# Altium PCB RPlan_LB.PcbDoc (part 3 of 5)
Units mm, origin at the board's own origin, x right, y up, seen from the top; angles counter-clockwise.
Board outline 152.4 x 101.6 mm, 2 copper layers (Top Layer, Bottom Layer); 94 components, 100 nets, 537 pads, 95 vias.
Unrouted connection lines stored in the file: 138.
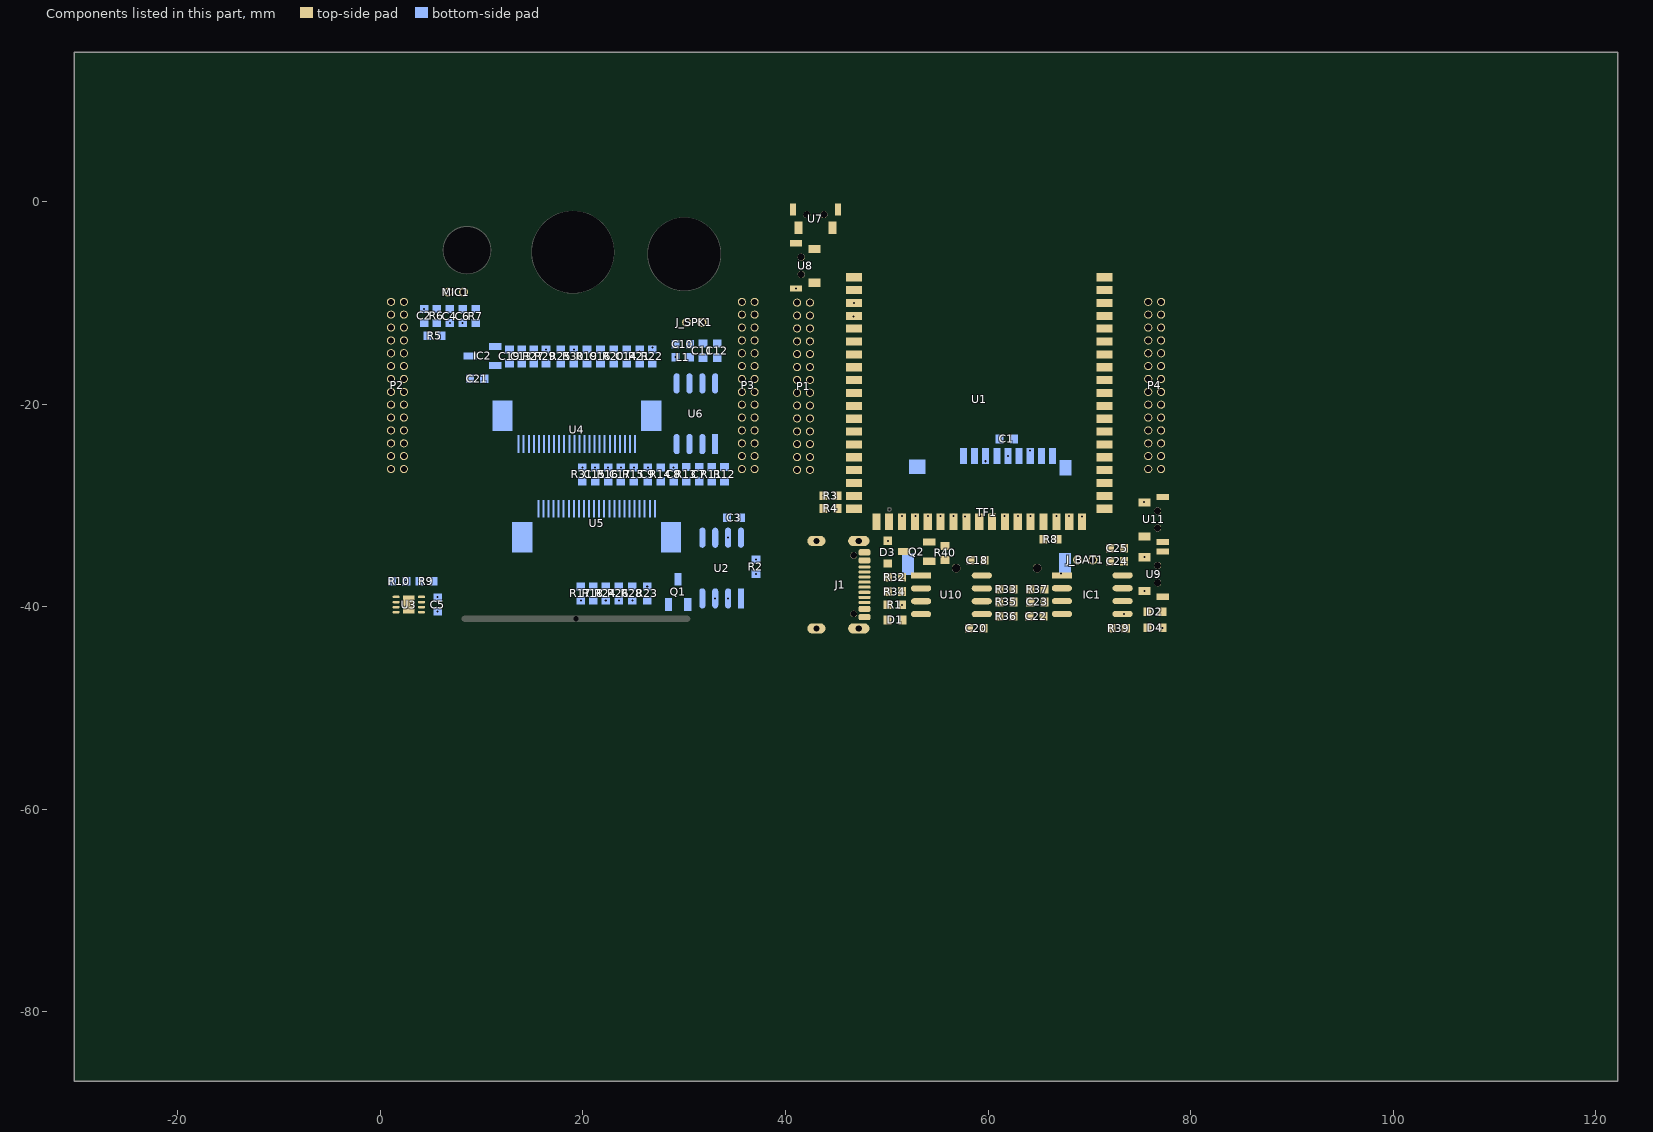
[diagram p3: the components of this part, seen from the top]

## Via types
v1: diameter 0.5, hole 0.3, Top Layer to Bottom Layer, 70 vias
v2: diameter 0.4, hole 0.2, Top Layer to Bottom Layer, 25 vias

## Nets (pads, with @x,y where several pads share a name; then routed paths per layer and width w, separated by ;. In a path a pad name is that pad's centre, name@x,y a point inside that pad or via, vN(x,y) a via of type N, cw(c..) or ccw(c..) an arc to the next point about the centre after c; other vN are vias at no path point) (continued)
copper on no net: (continued)
  Bottom Layer w0.025: 52.839,-22.09 53.525,-22.09 ; 52.839,-22.065 53.525,-22.065 ; 52.839,-22.04 53.525,-22.04 ; 52.839,-22.014 53.525,-22.014 ; 52.839,-21.989 53.525,-21.989 ; 52.839,-21.963 53.525,-21.963 ; 52.839,-21.938 53.525,-21.938 ; 52.839,-21.913 53.525,-21.913 ; 52.839,-21.887 53.525,-21.887 ; 52.839,-21.862 53.525,-21.862 ; 52.839,-21.836 53.525,-21.836 ; 52.839,-21.811 53.525,-21.811 ; 52.839,-21.786 53.525,-21.786 ; 52.839,-21.76 53.525,-21.76 ; 52.839,-21.43 53.525,-21.43 ; 52.839,-21.405 53.195,-21.405 ; 52.839,-21.379 53.195,-21.379 ; 52.839,-21.354 53.195,-21.354 ; 52.839,-21.328 53.195,-21.328 ; 52.839,-21.303 53.195,-21.303 ; 52.839,-21.278 53.195,-21.278 ; 52.839,-21.252 53.195,-21.252 ; 52.839,-21.227 53.195,-21.227 ; 52.839,-21.201 53.195,-21.201 ; 52.839,-21.176 53.195,-21.176 ; 52.839,-21.151 53.195,-21.151 ; 52.839,-21.125 53.195,-21.125 ; 52.839,-21.1 53.881,-21.1 ; 52.839,-21.074 53.881,-21.074 ; 52.839,-21.049 53.881,-21.049 ; 52.839,-21.024 53.881,-21.024 ; 52.839,-20.998 53.881,-20.998 ; 52.839,-20.973 53.881,-20.973 ; 52.839,-20.947 53.881,-20.947 ; 52.839,-20.922 53.881,-20.922 ; 52.839,-20.897 53.881,-20.897 ; 52.839,-20.871 53.881,-20.871 ; 52.839,-20.846 53.881,-20.846 ; 52.839,-20.82 53.881,-20.82 ; 52.839,-20.795 53.881,-20.795 ; 52.839,-20.77 53.881,-20.77 ; 52.839,-20.109 53.881,-20.109 ; 52.839,-20.084 53.881,-20.084 ; 52.839,-20.058 53.881,-20.058 ; 52.839,-20.033 53.881,-20.033 ; 52.839,-20.008 53.881,-20.008 ; 52.839,-19.982 53.881,-19.982 ; 52.839,-19.957 53.881,-19.957 ; 52.839,-19.931 53.881,-19.931 ; 52.839,-19.906 53.881,-19.906 ; 52.839,-19.881 53.881,-19.881 ; 52.839,-19.855 53.881,-19.855 ; 52.839,-19.83 53.881,-19.83 ; 52.839,-19.804 53.881,-19.804 ; 52.839,-19.779 53.881,-19.779 ; 52.839,-19.754 53.83,-19.754 ; 52.839,-19.728 53.195,-19.728 ; 52.839,-19.703 53.195,-19.703 ; 52.839,-19.677 53.195,-19.677 ; 52.839,-19.652 53.195,-19.652 ; 52.839,-19.627 53.195,-19.627 ; 52.839,-19.601 53.195,-19.601 ; 52.839,-19.576 53.195,-19.576 ; 52.839,-19.55 53.195,-19.55 ; 52.839,-19.525 53.195,-19.525 ; 52.839,-19.5 53.195,-19.5 ; 52.839,-19.474 53.195,-19.474 ; 52.839,-19.449 53.5,-19.449 ; 52.839,-19.119 53.525,-19.119 ; 52.839,-19.093 53.525,-19.093 ; 52.839,-19.068 53.195,-19.068 ; 52.839,-19.042 53.195,-19.042 ; 52.839,-19.017 53.195,-19.017 ; 52.839,-18.992 53.195,-18.992 ; 52.839,-18.966 53.195,-18.966 ; 52.839,-18.941 53.195,-18.941 ; 52.839,-18.915 53.195,-18.915 ; 52.839,-18.89 53.195,-18.89 ; 52.839,-18.865 53.195,-18.865 ; 52.839,-18.839 53.195,-18.839 ; 52.839,-18.814 53.195,-18.814 ; 52.839,-18.788 53.195,-18.788 ; 52.839,-18.763 53.525,-18.763 ; 52.839,-18.738 53.525,-18.738 ; 52.839,-18.712 53.525,-18.712 ; 52.839,-18.687 53.525,-18.687 ; 52.839,-18.661 53.525,-18.661 ; 52.839,-18.636 53.525,-18.636 ; 52.839,-18.611 53.525,-18.611 ; 52.839,-18.585 53.525,-18.585 ; 52.839,-18.56 53.525,-18.56 ; 52.839,-18.534 53.525,-18.534 ; 52.839,-18.509 53.525,-18.509 ; 52.839,-18.484 53.525,-18.484 ; 52.839,-18.458 53.525,-18.458 ; 52.839,-18.433 54.185,-18.433 ; 52.839,-18.407 54.185,-18.407 ; 52.839,-18.382 53.195,-18.382 ; 52.839,-18.357 53.195,-18.357 ; 52.839,-18.331 53.195,-18.331 ; 52.839,-18.306 53.195,-18.306 ; 52.839,-18.28 53.195,-18.28 ; 52.839,-18.255 53.195,-18.255 ; 52.839,-18.23 53.195,-18.23 ; 52.839,-18.204 53.195,-18.204 ; 52.839,-18.179 53.195,-18.179 ; 52.839,-18.153 53.195,-18.153 ; 52.839,-18.128 53.195,-18.128 ; 52.839,-18.103 53.195,-18.103 ; 52.839,-17.772 53.881,-17.772 ; 52.839,-17.747 53.525,-17.747 ; 52.839,-17.722 53.525,-17.722 ; 52.839,-17.696 53.525,-17.696 ; 52.839,-17.671 53.525,-17.671 ; 52.839,-17.645 53.525,-17.645 ; 52.839,-17.62 53.525,-17.62 ; 52.839,-17.595 53.525,-17.595 ; 52.839,-17.569 53.525,-17.569 ; 52.839,-17.544 53.525,-17.544 ; 52.839,-17.518 53.525,-17.518 ; 52.839,-17.493 53.525,-17.493 ; 52.839,-17.468 53.525,-17.468 ; 52.839,-17.442 53.525,-17.442 ; 52.839,-17.417 53.525,-17.417 ; 52.839,-17.391 53.195,-17.391 ; 52.839,-17.366 53.195,-17.366 ; 52.839,-17.341 53.195,-17.341 ; 52.839,-17.315 53.195,-17.315 ; 52.839,-17.29 53.195,-17.29 ; 52.839,-17.264 53.195,-17.264 ; 52.839,-17.239 53.195,-17.239 ; 52.839,-17.214 53.195,-17.214 ; 52.839,-17.188 53.195,-17.188 ; 52.839,-17.163 53.195,-17.163 ; 52.839,-17.137 53.195,-17.137 ; 52.839,-17.112 53.195,-17.112 ; 52.839,-17.087 53.195,-17.087 ; 52.839,-17.061 53.195,-17.061 ; 52.839,-17.036 53.195,-17.036 ; 52.839,-17.01 53.195,-17.01 ; 52.839,-16.985 53.195,-16.985 ; 52.839,-16.96 53.195,-16.96 ; 52.839,-16.934 53.195,-16.934 ; 52.839,-16.909 53.195,-16.909 ; 52.839,-16.883 53.195,-16.883 ; 52.839,-16.858 53.195,-16.858 ; 52.839,-16.833 53.195,-16.833 ; 52.839,-16.807 53.195,-16.807 ; 52.839,-16.782 53.195,-16.782 ; 52.839,-16.452 53.195,-16.452 ; 52.839,-16.426 53.195,-16.426 ; 52.839,-16.401 53.195,-16.401 ; 52.839,-16.375 53.195,-16.375 ; 52.839,-16.35 53.195,-16.35 ; 52.839,-16.325 53.195,-16.325 ; 52.839,-16.299 53.195,-16.299 ; 52.839,-16.274 53.195,-16.274 ; 52.839,-16.248 53.195,-16.248 ; 52.839,-16.223 53.195,-16.223 ; 52.839,-16.198 53.195,-16.198 ; 52.839,-16.172 53.195,-16.172 ; 52.839,-16.147 53.22,-16.147 ; 52.839,-16.121 53.22,-16.121 ; 52.839,-16.096 54.185,-16.096 ; 52.839,-16.071 54.185,-16.071 ; 52.839,-16.045 54.185,-16.045 ; 52.839,-16.02 54.185,-16.02 ; 52.839,-15.994 54.185,-15.994 ; 52.839,-15.969 54.185,-15.969 ; 52.839,-15.944 54.185,-15.944 ; 52.839,-15.918 54.185,-15.918 ; 52.839,-15.893 54.185,-15.893 ; 52.839,-15.867 54.185,-15.867 ; 52.839,-15.842 54.185,-15.842 ; 52.839,-15.817 54.185,-15.817 ; 52.839,-15.791 54.185,-15.791 ; 52.839,-15.766 54.185,-15.766 ; 52.839,-15.74 54.185,-15.74 ; 52.839,-15.715 54.185,-15.715 ; 52.839,-15.69 54.185,-15.69 ; 52.839,-15.664 54.185,-15.664 ; 52.839,-15.639 54.185,-15.639 ; 52.839,-15.613 54.185,-15.613 ; 52.839,-15.588 54.185,-15.588 ; 52.839,-15.563 54.185,-15.563 ; 52.839,-15.537 54.185,-15.537 ; 52.839,-15.512 54.185,-15.512 ; 52.839,-15.486 54.185,-15.486 ; 52.839,-15.461 54.185,-15.461 ; 52.839,-15.436 54.185,-15.436 ; 52.839,-14.775 53.881,-14.775 ; 52.839,-14.75 53.881,-14.75 ; 52.839,-14.724 53.881,-14.724 ; 52.839,-14.699 53.881,-14.699 ; 52.839,-14.674 53.881,-14.674 ; 52.839,-14.648 53.881,-14.648 ; 52.839,-14.623 53.881,-14.623 ; 52.839,-14.597 53.881,-14.597 ; 52.839,-14.572 53.881,-14.572 ; 52.839,-14.547 53.881,-14.547 ; 52.839,-14.521 53.881,-14.521 ; 52.839,-14.496 53.881,-14.496 ; 52.839,-14.47 54.185,-14.47 ; 52.839,-14.445 54.185,-14.445 ; 52.839,-14.42 54.185,-14.42 ; 52.839,-14.394 54.185,-14.394 ; 52.839,-14.369 54.185,-14.369 ; 52.839,-14.343 54.185,-14.343 ; 52.839,-14.318 54.185,-14.318 ; 52.839,-14.293 54.185,-14.293 ; 52.839,-14.267 54.185,-14.267 ; 52.839,-14.242 54.185,-14.242 ; 52.839,-14.216 54.185,-14.216 ; 52.839,-14.191 54.185,-14.191 ; 52.839,-14.166 54.185,-14.166 ; 52.839,-14.14 54.185,-14.14 ; 52.839,-14.115 54.185,-14.115 ; 52.839,-14.089 53.195,-14.089 ; 52.839,-14.064 53.195,-14.064 ; 52.839,-14.039 53.195,-14.039 ; 52.839,-14.013 53.195,-14.013 ; 52.839,-13.988 53.195,-13.988 ; 52.839,-13.962 53.195,-13.962 ; 52.839,-13.937 53.195,-13.937 ; 52.839,-13.912 53.195,-13.912 ; 52.839,-13.886 53.195,-13.886 ; 52.839,-13.861 53.195,-13.861 ; 52.839,-13.835 53.195,-13.835 ; 52.839,-13.81 53.195,-13.81 ; 52.839,-13.785 54.185,-13.785 ; 52.839,-13.759 54.185,-13.759 ; 52.839,-13.734 53.525,-13.734 ; 52.839,-13.708 53.525,-13.708 ; 52.839,-13.683 53.525,-13.683 ; 52.839,-13.658 53.525,-13.658 ; 52.839,-13.632 53.525,-13.632 ; 52.839,-13.607 53.525,-13.607 ; 52.839,-13.581 53.525,-13.581 ; 52.839,-13.556 53.525,-13.556 ; 52.839,-13.531 53.525,-13.531 ; 52.839,-13.505 53.525,-13.505 ; 52.839,-13.48 53.525,-13.48 ; 52.839,-13.454 53.525,-13.454 ; 52.839,-13.429 53.22,-13.429 ; 52.839,-13.404 53.195,-13.404 ; 52.839,-13.378 53.195,-13.378 ; 52.839,-13.353 53.195,-13.353 ; 52.839,-13.327 53.195,-13.327 ; 52.839,-13.302 53.195,-13.302 ; 52.839,-13.277 53.195,-13.277 ; 52.839,-13.251 53.195,-13.251 ; 52.839,-13.226 53.195,-13.226 ; 52.839,-13.2 53.195,-13.2 ; 52.839,-13.175 53.195,-13.175 ; 52.839,-13.15 53.195,-13.15 ; 52.839,-13.124 53.525,-13.124 ; 52.839,-13.099 53.525,-13.099 ; 52.839,-13.073 53.525,-13.073 ; 52.839,-13.048 53.525,-13.048 ; 52.839,-13.023 53.525,-13.023 ; 52.839,-12.997 53.525,-12.997 ; 52.839,-12.972 53.525,-12.972 ; 52.839,-12.946 53.525,-12.946 ; 52.839,-12.921 53.525,-12.921 ; 52.839,-12.896 53.525,-12.896 ; 52.839,-12.87 53.525,-12.87 ; 52.839,-12.845 53.525,-12.845 ; 52.839,-12.819 53.525,-12.819 ; 52.839,-12.794 53.525,-12.794 ; 52.839,-12.769 53.525,-12.769 ; 52.839,-12.743 53.195,-12.743 ; 52.839,-12.718 53.195,-12.718 ; 52.839,-12.692 53.195,-12.692 ; 52.839,-12.667 53.195,-12.667 ; 52.839,-12.642 53.195,-12.642 ; 52.839,-12.616 53.195,-12.616 ; 52.839,-12.591 53.195,-12.591 ; 52.839,-12.565 53.195,-12.565 ; 52.839,-12.54 53.195,-12.54 ; 52.839,-12.515 53.195,-12.515 ; 52.839,-12.489 53.195,-12.489 ; 52.839,-12.464 53.195,-12.464 ; 52.839,-12.438 53.195,-12.438 ; 52.839,-12.134 55.176,-12.134 ; 52.839,-12.108 55.201,-12.108 ; 52.839,-12.083 55.201,-12.083 ; 52.839,-12.057 55.201,-12.057 ; 52.839,-12.032 55.201,-12.032 ; 52.839,-12.007 55.201,-12.007 ; 52.839,-11.981 55.201,-11.981 ; 52.839,-11.956 55.201,-11.956 ; 52.839,-11.93 55.201,-11.93 ; 52.839,-11.905 55.201,-11.905 ; 52.839,-11.88 55.201,-11.88 ; 52.839,-11.854 55.201,-11.854 ; 52.839,-11.829 55.201,-11.829 ; 52.839,-11.803 55.201,-11.803 ; 52.839,-11.778 55.201,-11.778 ; 52.839,-11.753 53.195,-11.753 ; 52.839,-11.727 53.195,-11.727 ; 52.839,-11.702 53.195,-11.702 ; 52.839,-11.676 53.195,-11.676 ; 52.839,-11.651 53.195,-11.651 ; 52.839,-11.626 53.195,-11.626 ; 52.839,-11.6 53.195,-11.6 ; 52.839,-11.575 53.195,-11.575 ; 52.839,-11.549 53.195,-11.549 ; 52.839,-11.524 53.195,-11.524 ; 52.839,-11.499 53.195,-11.499 ; 52.839,-11.473 53.195,-11.473 ; 52.839,-11.448 53.195,-11.448 ; 52.839,-11.422 53.195,-11.422 ; 52.839,-11.397 53.195,-11.397 ; 52.839,-11.372 53.195,-11.372 ; 52.839,-11.346 53.195,-11.346 ; 52.839,-11.321 53.195,-11.321 ; 52.839,-11.295 53.195,-11.295 ; 52.839,-11.27 53.195,-11.27 ; 52.839,-11.245 53.195,-11.245 ; 52.839,-11.219 53.195,-11.219 ; 52.839,-11.194 53.195,-11.194 ; 52.839,-11.168 53.195,-11.168 ; 52.839,-11.143 53.195,-11.143 ; 52.839,-11.118 53.195,-11.118 ; 52.839,-11.092 53.195,-11.092 ; 52.839,-11.067 53.195,-11.067 ; 52.839,-11.041 53.195,-11.041 ; 52.839,-11.016 53.195,-11.016 ; 52.839,-10.991 53.195,-10.991 ; 52.839,-10.965 53.195,-10.965 ; 52.839,-10.94 53.195,-10.94 ; 52.839,-10.914 53.195,-10.914 ; 52.839,-10.889 53.195,-10.889 ; 52.839,-10.864 53.195,-10.864 ; 52.839,-10.838 53.195,-10.838 ; 52.839,-10.813 53.195,-10.813 ; 52.839,-10.787 53.195,-10.787 ; 52.839,-10.762 53.195,-10.762 ; 52.839,-10.737 53.195,-10.737 ; 52.839,-10.711 53.195,-10.711 ; 52.839,-10.686 53.195,-10.686 ; 52.839,-10.66 53.195,-10.66 ; 52.839,-10.635 53.195,-10.635 ; 52.839,-10.61 53.195,-10.61 ; 52.839,-10.584 53.195,-10.584 ; 52.839,-10.559 53.195,-10.559 ; 52.839,-10.533 53.195,-10.533 ; 52.839,-10.508 53.195,-10.508 ; 52.839,-10.483 53.195,-10.483 ; 52.839,-10.457 53.195,-10.457 ; 52.839,-10.432 53.195,-10.432 ; 52.839,-10.406 53.195,-10.406 ; 52.839,-10.381 53.195,-10.381 ; 52.839,-10.356 53.195,-10.356 ; 52.839,-10.33 53.195,-10.33 ; 52.839,-10.305 53.195,-10.305 ; 52.839,-10.279 53.195,-10.279 ; 52.839,-10.254 53.195,-10.254 ; 52.839,-10.229 53.195,-10.229 ; 52.839,-10.203 53.195,-10.203 ; 52.839,-10.178 53.195,-10.178 ; 52.839,-10.152 53.22,-10.152 ; 52.839,-10.127 55.201,-10.127 ; 52.839,-10.102 55.201,-10.102 ; 52.839,-10.076 55.201,-10.076 ; 52.839,-10.051 55.201,-10.051 ; 52.839,-10.025 55.201,-10.025 ; 52.839,-10 55.201,-10 ; 52.839,-9.975 55.201,-9.975 ; 52.839,-9.949 55.201,-9.949 ; 52.839,-9.924 55.201,-9.924 ; 52.839,-9.898 55.201,-9.898 ; 52.839,-9.873 55.201,-9.873 ; 52.839,-9.848 55.201,-9.848 ; 52.839,-9.822 55.201,-9.822 ; 52.839,-9.797 55.201,-9.797 ; 53.144,-21.735 53.525,-21.735 ; 53.144,-21.709 53.525,-21.709 ; 53.144,-21.684 53.525,-21.684 ; 53.144,-21.659 53.525,-21.659 ; 53.144,-21.633 53.525,-21.633 ; 53.144,-21.608 53.525,-21.608 ; 53.144,-21.582 53.525,-21.582 ; 53.144,-21.557 53.525,-21.557 ; 53.144,-21.532 53.525,-21.532 ; 53.144,-21.506 53.525,-21.506 ; 53.144,-21.481 53.525,-21.481 ; 53.144,-21.455 53.525,-21.455 ; 53.144,-19.423 53.525,-19.423 ; 53.144,-19.398 53.525,-19.398 ; 53.144,-19.373 53.525,-19.373 ; 53.144,-19.347 53.525,-19.347 ; 53.144,-19.322 53.525,-19.322 ; 53.144,-19.296 53.525,-19.296 ; 53.144,-19.271 53.525,-19.271 ; 53.144,-19.246 53.525,-19.246 ; 53.144,-19.22 53.525,-19.22 ; 53.144,-19.195 53.525,-19.195 ; 53.144,-19.169 53.525,-19.169 ; 53.144,-19.144 53.525,-19.144 ; 53.144,-15.105 53.525,-15.105 ; 53.144,-15.08 53.525,-15.08 ; 53.144,-15.055 53.525,-15.055 ; 53.144,-15.029 53.525,-15.029 ; 53.144,-15.004 53.525,-15.004 ; 53.144,-14.978 53.525,-14.978 ; 53.144,-14.953 53.525,-14.953 ; 53.144,-14.928 53.525,-14.928 ; 53.144,-14.902 53.525,-14.902 ; 53.144,-14.877 53.525,-14.877 ; 53.144,-14.851 53.525,-14.851 ; 53.144,-14.826 53.525,-14.826 ; 53.144,-14.801 53.525,-14.801 ; 53.5,-18.382 54.185,-18.382 ; 53.5,-18.357 54.185,-18.357 ; 53.5,-18.331 54.185,-18.331 ; 53.5,-18.306 54.185,-18.306 ; 53.5,-18.28 54.185,-18.28 ; 53.5,-18.255 54.185,-18.255 ; 53.5,-18.23 54.185,-18.23 ; 53.5,-18.204 54.185,-18.204 ; 53.5,-18.179 54.185,-18.179 ; 53.5,-18.153 54.185,-18.153 ; 53.5,-18.128 55.506,-18.128 ; 53.5,-18.103 55.506,-18.103 ; 53.5,-18.077 53.881,-18.077 ; 53.5,-18.052 53.881,-18.052 ; 53.5,-18.026 53.881,-18.026 ; 53.5,-18.001 53.881,-18.001 ; 53.5,-17.976 53.881,-17.976 ; 53.5,-17.95 53.881,-17.95 ; 53.5,-17.925 53.881,-17.925 ; 53.5,-17.899 53.881,-17.899 ; 53.5,-17.874 53.881,-17.874 ; 53.5,-17.849 53.881,-17.849 ; 53.5,-17.823 53.881,-17.823 ; 53.5,-17.798 53.881,-17.798 ; 53.5,-17.087 53.881,-17.087 ; 53.5,-17.061 53.881,-17.061 ; 53.5,-17.036 53.881,-17.036 ; 53.5,-17.01 53.881,-17.01 ; 53.5,-16.985 53.881,-16.985 ; 53.5,-16.96 53.881,-16.96 ; 53.5,-16.934 53.881,-16.934 ; 53.5,-16.909 53.881,-16.909 ; 53.5,-16.883 53.881,-16.883 ; 53.5,-16.858 53.881,-16.858 ; 53.5,-16.833 53.881,-16.833 ; 53.5,-16.807 53.881,-16.807 ; 53.5,-16.782 53.881,-16.782 ; 53.5,-14.089 54.185,-14.089 ; 53.5,-14.064 54.185,-14.064 ; 53.5,-14.039 54.185,-14.039 ; 53.5,-14.013 54.185,-14.013 ; 53.5,-13.988 54.185,-13.988 ; 53.5,-13.962 54.185,-13.962 ; 53.5,-13.937 54.185,-13.937 ; 53.5,-13.912 54.185,-13.912 ; 53.5,-13.886 54.185,-13.886 ; 53.5,-13.861 54.185,-13.861 ; 53.5,-13.835 54.185,-13.835 ; 53.5,-13.81 54.185,-13.81 ; 53.5,-11.448 54.516,-11.448 ; 53.5,-11.422 54.516,-11.422 ; 53.5,-11.397 54.516,-11.397 ; 53.5,-11.372 54.516,-11.372 ; 53.5,-11.346 54.516,-11.346 ; 53.5,-11.321 54.516,-11.321 ; 53.5,-11.295 54.516,-11.295 ; 53.5,-11.27 54.516,-11.27 ; 53.5,-11.245 54.516,-11.245 ; 53.5,-11.219 54.516,-11.219 ; 53.5,-11.194 54.516,-11.194 ; 53.5,-11.168 54.516,-11.168 ; 53.5,-11.143 54.516,-11.143 ; 53.5,-11.118 54.516,-11.118 ; 53.5,-11.092 54.516,-11.092 ; 53.5,-11.067 54.516,-11.067 ; 53.5,-11.041 54.516,-11.041 ; 53.5,-11.016 54.516,-11.016 ; 53.5,-10.991 54.516,-10.991 ; 53.5,-10.965 54.516,-10.965 ; 53.5,-10.94 54.516,-10.94 ; 53.5,-10.914 54.516,-10.914 ; 53.5,-10.889 54.516,-10.889 ; 53.5,-10.864 54.516,-10.864 ; 53.5,-10.838 54.516,-10.838 ; 53.5,-10.813 54.516,-10.813 ; 53.5,-10.787 54.516,-10.787 ; 53.5,-10.762 54.516,-10.762 ; 53.5,-10.737 54.516,-10.737 ; 53.5,-10.711 54.516,-10.711 ; 53.5,-10.686 54.516,-10.686 ; 53.5,-10.66 54.516,-10.66 ; 53.5,-10.635 54.516,-10.635 ; 53.5,-10.61 54.516,-10.61 ; 53.5,-10.584 54.516,-10.584 ; 53.5,-10.559 54.516,-10.559 ; 53.5,-10.533 54.516,-10.533 ; 53.5,-10.508 54.516,-10.508 ; 53.5,-10.483 54.516,-10.483 ; 53.5,-10.457 54.516,-10.457 ; 53.83,-21.786 54.185,-21.786 ; 53.83,-21.76 54.185,-21.76 ; 53.83,-21.735 54.185,-21.735 ; 53.83,-21.709 54.185,-21.709 ; 53.83,-21.684 54.185,-21.684 ; 53.83,-21.659 54.185,-21.659 ; 53.83,-21.633 54.185,-21.633 ; 53.83,-21.608 54.185,-21.608 ; 53.83,-21.582 54.185,-21.582 ; 53.83,-21.557 54.185,-21.557 ; 53.83,-21.532 54.185,-21.532 ; 53.83,-21.506 54.185,-21.506 ; 53.83,-21.481 54.185,-21.481 ; 53.83,-21.455 54.185,-21.455 ; 53.83,-21.43 54.871,-21.43 ; 53.83,-20.744 55.862,-20.744 ; 53.83,-20.719 55.862,-20.719 ; 53.83,-20.693 55.862,-20.693 ; 53.83,-20.668 55.862,-20.668 ; 53.83,-20.643 55.862,-20.643 ; 53.83,-20.617 55.862,-20.617 ; 53.83,-20.592 55.862,-20.592 ; 53.83,-20.566 55.862,-20.566 ; 53.83,-20.541 55.862,-20.541 ; 53.83,-20.516 55.862,-20.516 ; 53.83,-20.49 55.862,-20.49 ; 53.83,-20.465 55.862,-20.465 ; 53.83,-20.439 57.487,-20.439 ; 53.83,-19.449 56.167,-19.449 ; 53.83,-19.423 56.192,-19.423 ; 53.83,-19.398 56.192,-19.398 ; 53.83,-19.373 56.192,-19.373 ; 53.83,-19.347 56.192,-19.347 ; 53.83,-19.322 56.192,-19.322 ; 53.83,-19.296 56.192,-19.296 ; 53.83,-19.271 56.192,-19.271 ; 53.83,-19.246 56.192,-19.246 ; 53.83,-19.22 56.192,-19.22 ; 53.83,-19.195 56.192,-19.195 ; 53.83,-19.169 56.192,-19.169 ; 53.83,-19.144 56.192,-19.144 ; 53.83,-19.119 57.538,-19.119 ; 53.83,-19.093 57.538,-19.093 ; 53.83,-17.442 54.516,-17.442 ; 53.83,-17.417 54.516,-17.417 ; 53.83,-17.391 54.516,-17.391 ; 53.83,-17.366 54.516,-17.366 ; 53.83,-17.341 54.516,-17.341 ; 53.83,-17.315 54.516,-17.315 ; 53.83,-17.29 54.516,-17.29 ; 53.83,-17.264 54.516,-17.264 ; 53.83,-17.239 54.516,-17.239 ; 53.83,-17.214 54.516,-17.214 ; 53.83,-17.188 54.516,-17.188 ; 53.83,-17.163 54.516,-17.163 ; 53.83,-17.137 54.516,-17.137 ; 53.83,-17.112 54.516,-17.112 ; 53.83,-15.41 54.185,-15.41 ; 53.83,-15.385 54.185,-15.385 ; 53.83,-15.359 54.185,-15.359 ; 53.83,-15.334 54.185,-15.334 ; 53.83,-15.309 54.185,-15.309 ; 53.83,-15.283 54.185,-15.283 ; 53.83,-15.258 54.185,-15.258 ; 53.83,-15.232 54.185,-15.232 ; 53.83,-15.207 54.185,-15.207 ; 53.83,-15.182 54.185,-15.182 ; 53.83,-15.156 54.185,-15.156 ; 53.83,-15.131 54.185,-15.131 ; 53.83,-15.105 54.185,-15.105 ; 53.83,-13.48 54.185,-13.48 ; 53.83,-13.454 54.185,-13.454 ; 53.83,-13.429 54.185,-13.429 ; 53.83,-13.404 54.185,-13.404 ; 53.83,-13.378 54.185,-13.378 ; 53.83,-13.353 54.185,-13.353 ; 53.83,-13.327 54.185,-13.327 ; 53.83,-13.302 54.185,-13.302 ; 53.83,-13.277 54.185,-13.277 ; 53.83,-13.251 54.185,-13.251 ; 53.83,-13.226 54.185,-13.226 ; 53.83,-13.2 54.185,-13.2 ; 53.83,-13.175 54.185,-13.175 ; 53.83,-13.15 54.185,-13.15 ; 53.83,-13.124 54.185,-13.124 ; 53.83,-13.099 54.185,-13.099 ; 53.83,-13.073 54.185,-13.073 ; 53.83,-13.048 54.185,-13.048 ; 53.83,-13.023 54.185,-13.023 ; 53.83,-12.997 54.185,-12.997 ; 53.83,-12.972 54.185,-12.972 ; 53.83,-12.946 54.185,-12.946 ; 53.83,-12.921 54.185,-12.921 ; 53.83,-12.896 54.185,-12.896 ; 53.83,-12.87 54.185,-12.87 ; 53.83,-12.845 54.185,-12.845 ; 53.83,-12.819 54.185,-12.819 ; 53.83,-12.794 54.185,-12.794 ; 53.83,-12.769 54.185,-12.769 ; 53.83,-12.743 54.185,-12.743 ; 53.83,-12.718 54.185,-12.718 ; 53.83,-12.692 54.185,-12.692 ; 53.83,-12.667 54.185,-12.667 ; 53.83,-12.642 54.185,-12.642 ; 53.83,-12.616 54.185,-12.616 ; 53.83,-12.591 54.185,-12.591 ; 53.83,-12.565 54.185,-12.565 ; 53.83,-12.54 54.185,-12.54 ; 53.83,-12.515 54.185,-12.515 ; 53.83,-12.489 54.185,-12.489 ; 53.83,-12.464 54.185,-12.464 ; 53.83,-12.438 54.185,-12.438 ; 54.185,-21.405 54.871,-21.405 ; 54.185,-21.379 54.871,-21.379 ; 54.185,-21.354 54.871,-21.354 ; 54.185,-21.328 54.871,-21.328 ; 54.185,-21.303 54.871,-21.303 ; 54.185,-21.278 54.871,-21.278 ; 54.185,-21.252 54.871,-21.252 ; 54.185,-21.227 54.871,-21.227 ; 54.185,-21.201 54.871,-21.201 ; 54.185,-21.176 54.871,-21.176 ; 54.185,-21.151 54.871,-21.151 ; 54.185,-21.125 54.871,-21.125 ; 54.185,-21.1 54.871,-21.1 ; 54.185,-21.074 54.871,-21.074 ; 54.185,-20.414 54.516,-20.414 ; 54.185,-20.389 54.516,-20.389 ; 54.185,-20.363 54.516,-20.363 ; 54.185,-20.338 54.516,-20.338 ; 54.185,-20.312 54.516,-20.312 ; 54.185,-20.287 54.516,-20.287 ; 54.185,-20.262 54.516,-20.262 ; 54.185,-20.236 54.516,-20.236 ; 54.185,-20.211 54.516,-20.211 ; 54.185,-20.185 54.516,-20.185 ; 54.185,-20.16 54.516,-20.16 